# KiCad board RP2040_motor-rounded.kicad_pcb
title: RP2040 Motor Controller; date: 2020-07-13; rev: REV1; company: Twisted Fields, LLC
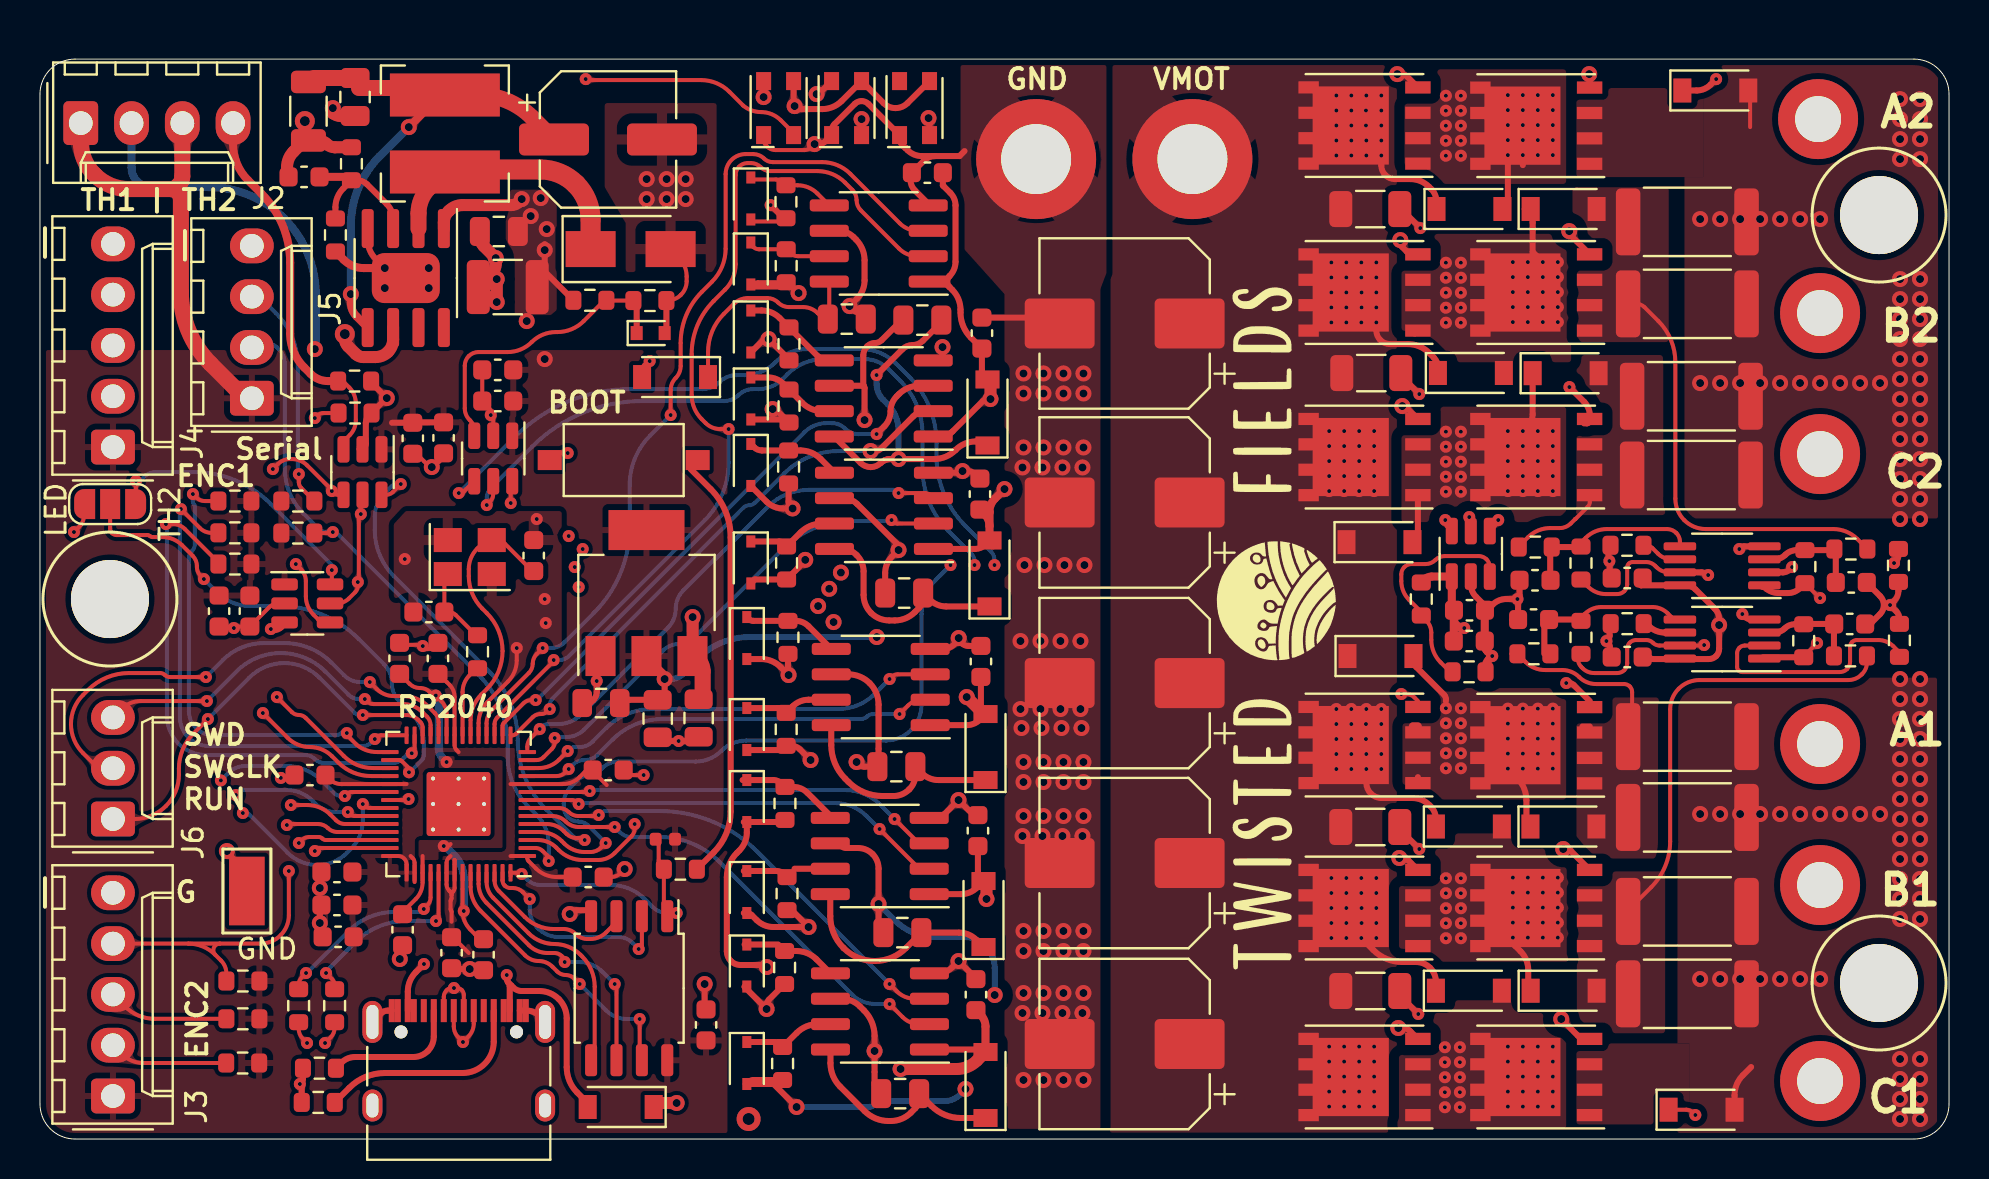
[diagram p0: board, top side]
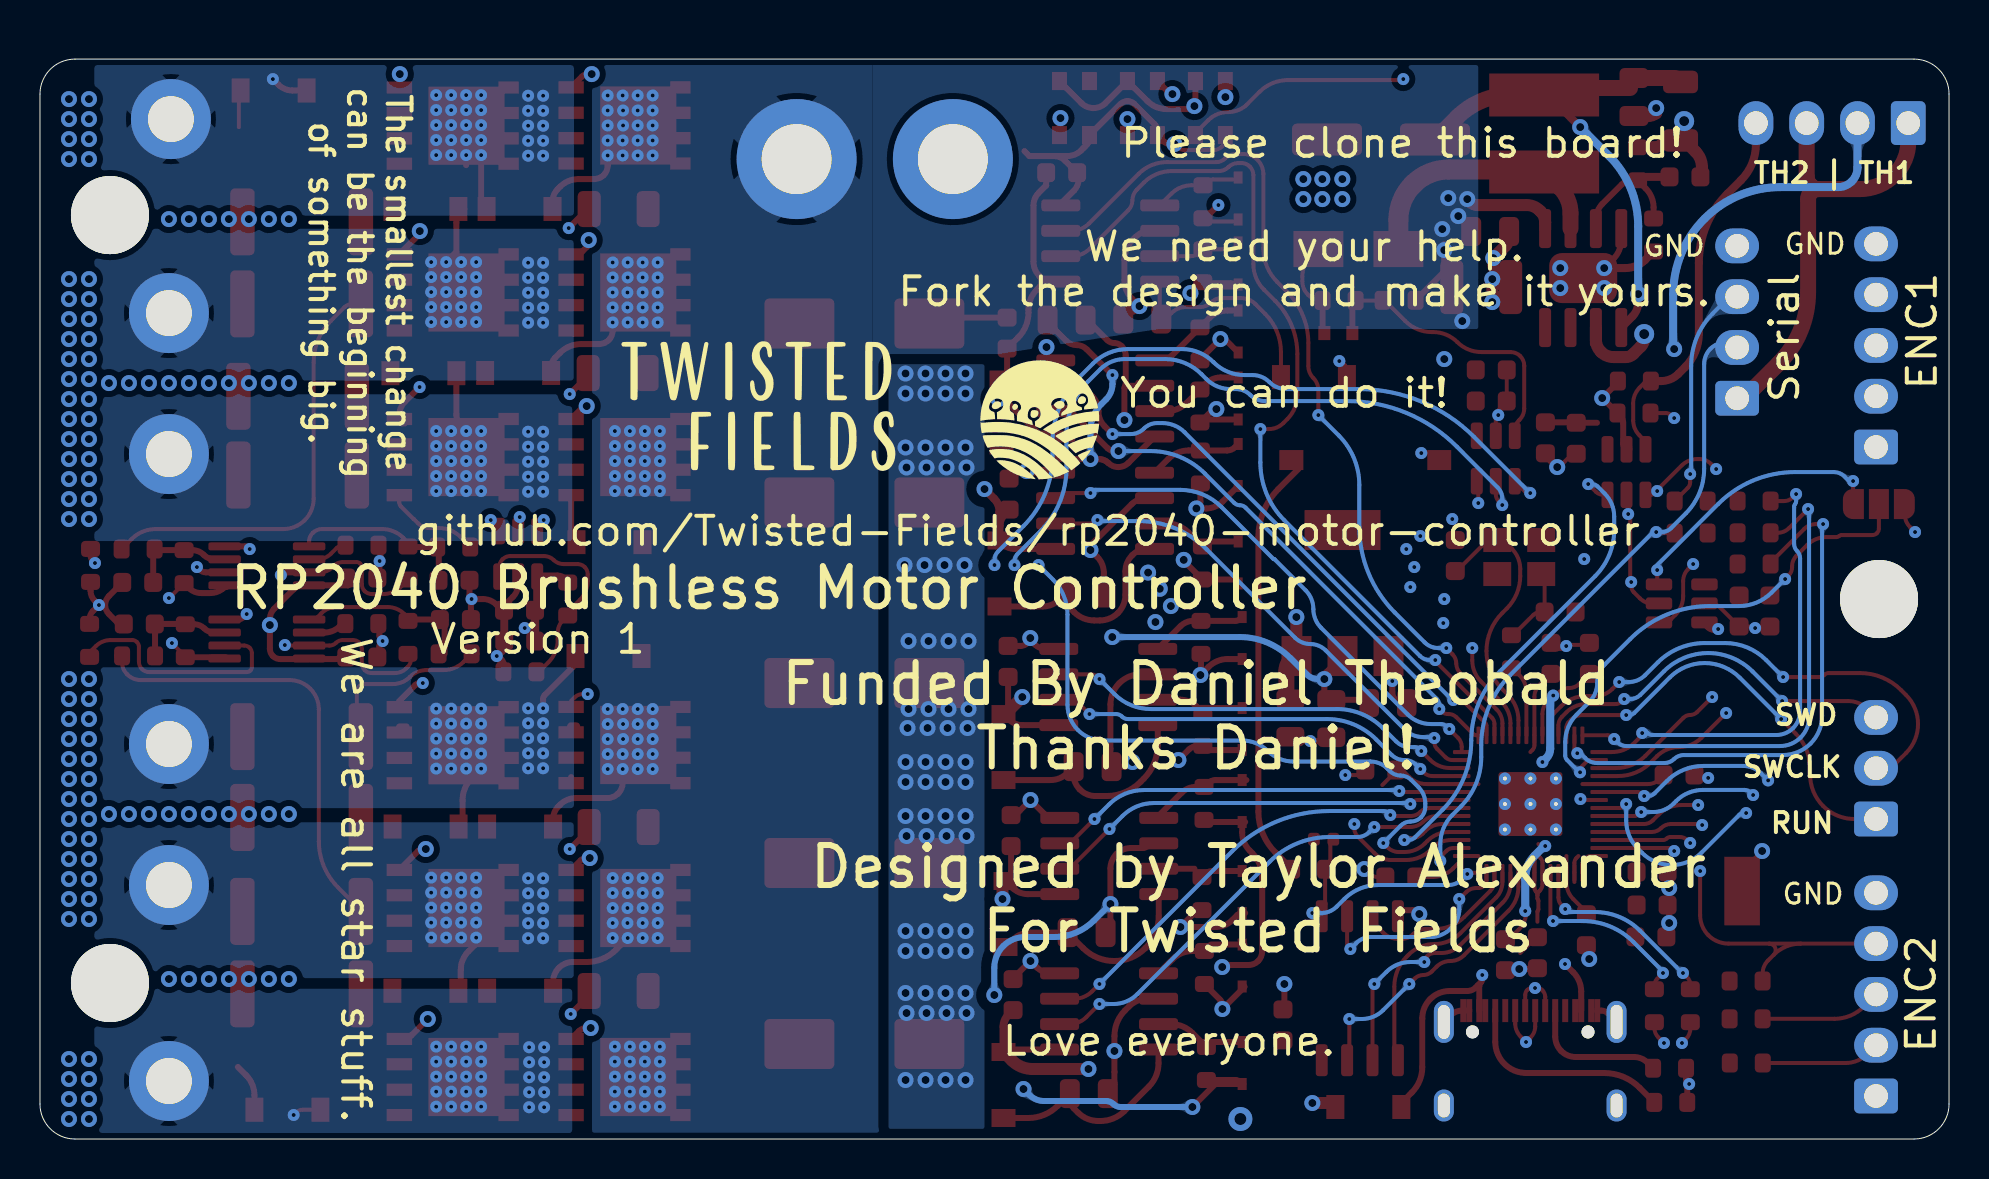
[diagram p1: board, bottom side, seen from below]

Outline 95.5 x 54 mm; copper layers: Top, In1.Cu, In2.Cu, Bottom. Coordinates in mm from the lower left corner of the outline.
Outline path: 0,52.25 arc(0.51,53.49) 1.75,54 93.75,54 arc(94.99,53.49) 95.5,52.25 95.5,1.75 arc(94.99,0.51) 93.75,0 1.75,0 arc(0.51,0.51) 0,1.75 0,52.25
Stack: Top 0.035mm / dielectric 0.48mm FR4 er 4.5 / In1.Cu 0.035mm / dielectric 0.48mm FR4 er 4.5 / In2.Cu 0.035mm / dielectric 0.48mm FR4 er 4.5 / Bottom 0.035mm

## Placement (name value [footprint] x y rotation side)
AH1  MOSFETSO-8  [PowerPAK_SO-8_123]  66.26 19.7 180 top
AH2  MOSFETSO-8  [PowerPAK_SO-8_123]  66.26 50.68 180 top
AL1  MOSFETSO-8  [PowerPAK_SO-8_123]  74.85 19.69 180 top
AL2  MOSFETSO-8  [PowerPAK_SO-8_123]  74.85 50.67 180 top
BH1  MOSFETSO-8  [PowerPAK_SO-8_123]  66.26 11.55 180 top
BH2  MOSFETSO-8  [PowerPAK_SO-8_123]  66.26 42.33 180 top
BL1  MOSFETSO-8  [PowerPAK_SO-8_123]  74.85 11.55 180 top
BL2  MOSFETSO-8  [PowerPAK_SO-8_123]  74.85 42.33 180 top
C1  100nF 50V  [C_0603_1608Metric]  46.82 7.22 270 top
C2  100nF 50V  [C_0603_1608Metric]  47.02 32.25 270 top
C3  47uF 63V  [CP_Elec_8x10]  54.26 31.83 180 top
C4  47uF 63V  [CP_Elec_8x10]  54.26 40.78 180 top
C5  47uF 63V  [CP_Elec_8x10]  54.26 22.8 180 top
C6  47uF 63V  [CP_Elec_8x10]  54.26 4.75 180 top
C7  47uF 63V  [CP_Elec_8x10]  54.26 13.8 180 top
C8  10uF 50V  [C_0805_2012Metric#2]  43.03 2.27 0 top
C9  10uF 50V  [C_0805_2012Metric#2]  43.23 27.3 0 top
C10  100nF 50V  [C_0603_1608Metric]  46.92 15.42 270 top
C11  100nF 50V  [C_0603_1608Metric]  47.12 40.3 270 top
C12  10uF 50V  [C_0805_2012Metric#2]  43.14 10.32 0 top
C13  10uF 50V  [C_0805_2012Metric#2]  44.14 40.95 0 top
C14  100nF 50V  [C_0603_1608Metric]  47.07 23.88 270 top
C15  100nF 50V  [C_0603_1608Metric]  44.39 48.32 0 top
C16  10uF 50V  [C_0805_2012Metric#2]  42.84 18.62 0 top
C17  10uF 50V  [C_0805_2012Metric#2]  40.36 41 180 top
C18  1u  [C_0603_1608Metric]  71.5 24.9 180 top
C19  1u  [C_0603_1608Metric]  8.96 26.4 90 top
C20  10u  [C_0805_2012Metric]  32.95 21.05 270 top
C21  100n  [C_0603_1608Metric]  33.32 5.7 90 top
C22  1u  [C_0603_1608Metric]  18.65 35.04 90 top
C23  10u  [C_0805_2012Metric]  28.06 21.8 180 top
C24  100uF 35V  [CP_Elec_6.3x7.7]  28.41 49.98 0 top
C25  HIGHCURRENTPAD2  [PAD_8GA_WIRE]  57.65 49 0 top
C26  HIGHCURRENTPAD2  [PAD_8GA_WIRE]  49.83 49 0 top
C27  20p  [C_0603_1608Metric]  24.7 29.17 90 top
C28  20p  [C_0603_1608Metric]  19.45 26.35 180 top
C29  10u  [C_0805_2012Metric]  30.9 21.03 270 top
C30  100n  [C_0603_1608Metric]  22.19 9.22 270 top
C31  100n  [C_0603_1608Metric]  17.99 24.03 90 top
C32  1u  [C_0603_1608Metric]  18.14 10.47 270 top
C33  100n  [C_0603_1608Metric]  20.59 9.31 270 top
C34  1u  [C_0603_1608Metric]  14.91 10.11 180 top
C35  1u  [C_0603_1608Metric]  22.9 36.9 0 top
C36  100n  [C_0603_1608Metric]  27.42 13.1 0 top
C37  100n  [C_0603_1608Metric]  13.5 18.2 180 top
C38  100n  [C_0603_1608Metric]  28.42 18.45 0 top
C39  100n  [C_0603_1608Metric]  19.91 24.03 90 top
C40  100n  [C_0603_1608Metric]  14.86 13.35 180 top
C41  100n  [C_0603_1608Metric]  14.86 11.7 180 top
C$1  2.2uF 100V  [C_1206_3216Metric]  66.55 46.5 0 top
C$2  2.2uF 100V  [C_1206_3216Metric]  66.55 15.6 0 top
C$3  2.2uF 100V  [C_1206_3216Metric]  66.6 38.3 0 top
C$4  2.2uF 100V  [C_1206_3216Metric]  66.55 7.4 0 top
C$5  4.7uF 100V  [C_1210_3225Metric]  23.4 42.6 180 top
C$6  100nF 100V  [C_0805_2012Metric#2]  22.95 45.38 180 top
C$7  1uF 35V  [C_0805_2012Metric#2]  15.76 52.11 270 top
CH1  MOSFETSO-8  [PowerPAK_SO-8_123]  66.26 3.1 180 top
CH2  MOSFETSO-8  [PowerPAK_SO-8_123]  66.26 34.1 180 top
CL1  MOSFETSO-8  [PowerPAK_SO-8_123]  74.85 3.1 180 top
CL2  MOSFETSO-8  [PowerPAK_SO-8_123]  74.85 34.1 180 top
D1  FR107  [D_SOD-123]  47.3 2.7 90 top
D2  FR107  [D_SOD-123]  47.5 28.28 90 top
D3  1N4148WS  [D_SOD-323]  35.36 3.8 270 top
D4  1N4148WS  [D_SOD-323]  35.36 8.67 270 top
D5  1N4148WS  [D_SOD-323]  35.56 28.83 270 top
D6  1N4148WS  [D_SOD-323]  35.56 33.7 270 top
D7  B5819W SL  [D_SOD-123]  71.48 7.42 0 top
D8  B5819W SL  [D_SOD-123]  83.12 1.47 0 top
D9  B5819W SL  [D_SOD-123]  67.01 29.84 0 top
D10  B5819W SL  [D_SOD-123]  76.32 38.3 0 top
D11  FR107  [D_SOD-123]  47.2 11.25 90 top
D12  1N4148WS  [D_SOD-323]  35.36 12.35 270 top
D13  1N4148WS  [D_SOD-323]  35.36 16.9 270 top
D14  FR107  [D_SOD-123]  47.4 36.33 90 top
D15  1N4148WS  [D_SOD-323]  35.56 37.03 270 top
D16  1N4148WS  [D_SOD-323]  35.56 40.38 270 top
D17  B5819W SL  [D_SOD-123]  71.48 15.62 0 top
D18  B5819W SL  [D_SOD-123]  76.22 7.42 0 top
D19  B5819W SL  [D_SOD-123]  71.58 38.31 0 top
D20  B5819W SL  [D_SOD-123]  76.22 46.5 0 top
D21  FR107  [D_SOD-123]  47.3 19.6 90 top
D22  1N4148WS  [D_SOD-323]  35.36 20.5 270 top
D23  1N4148WS  [D_SOD-323]  35.36 25.05 270 top
D24  FR107  [D_SOD-123]  31.77 38.1 180 top
D25  1N4148WS  [D_SOD-323]  35.56 43.78 270 top
D26  1N4148WS  [D_SOD-323]  35.56 47.03 270 top
D27  B5819W SL  [D_SOD-123]  67.06 24.15 0 top
D28  B5819W SL  [D_SOD-123]  76.21 15.62 0 top
D29  B5819W SL  [D_SOD-123]  71.51 46.5 0 top
D30  B5819W SL  [D_SOD-123]  83.81 52.43 0 top
D31  B5819W SL  [D_SOD-123]  29.05 1.6 180 top
D32  SS210  [D_SMA]  29.55 44.5 0 top
D33  WS2812B  [LED_WS2812_3528_3.5x2.8mm_P1.5mm]  36.95 51.55 90 top
D34  WS2812B  [LED_WS2812_3528_3.5x2.8mm_P1.5mm]  40.35 51.55 90 top
D35  WS2812B  [LED_WS2812_3528_3.5x2.8mm_P1.5mm]  43.75 51.55 90 top
D36  DNS  [D_SOD-523]  30.55 40.3 0 top
G***  LOGO  [twisted_2]  61.15 26.87 90 top
G***#2  LOGO  [twisted]  61.15 15.25 90 top
G***#3  LOGO  [twisted_icon]  61.86 27.11 90 top
G***#4  LOGO  [twisted_2]  68.42 34.9 180 bottom
G***#5  LOGO  [twisted_icon]  45.29 35.95 180 bottom
G***#6  LOGO  [twisted]  59.64 38.4 180 bottom
H1  MountingHole  [MountingHole_3.9mm_Plastite_#6]  92 7.8 0 top
H2  MountingHole  [MountingHole_3.9mm_Plastite_#6]  92 46.2 0 top
H3  MountingHole  [MountingHole_3.9mm_Plastite_#6]  3.5 27 0 top
J1  USB_C_Receptacle_USB2.0  [USB_C_Receptacle_XKB_U262-16XN-4BVC11]  20.95 2.75 0 top
J2  Conn_01x04  [Molex_KK-254_AE-6410-04A_1x04_P2.54mm_Vertical]  2.04 50.8 0 top
J3  Conn_01x05  [Molex_KK-254_AE-6410-05A_1x05_P2.54mm_Vertical]  3.65 2.15 90 top
J4  Conn_01x05  [Molex_KK-254_AE-6410-05A_1x05_P2.54mm_Vertical]  3.65 34.6 90 top
J5  Conn_01x04  [Molex_KK-254_AE-6410-04A_1x04_P2.54mm_Vertical]  10.6 37.04 90 top
J6  Conn_01x03  [Molex_KK-254_AE-6410-03A_1x03_P2.54mm_Vertical]  3.65 16 90 top
JP1  SolderJumper_3_Open  [SolderJumper-3_P1.3mm_Open_RoundedPad1.0x1.5mm_NumberLabels]  3.51 31.75 0 top
L1  100uH 0.5A  [SM5845]  20.25 50.28 90 top
M1A1  HIGHCURRENTPAD2  [PAD_12GA_WIRE#2]  89.05 19.75 0 top
M1B1  HIGHCURRENTPAD2  [PAD_12GA_WIRE#2]  89.05 12.7 0 top
M1C1  HIGHCURRENTPAD2  [PAD_12GA_WIRE#2]  89.05 2.9 0 top
M2A1  HIGHCURRENTPAD2  [PAD_12GA_WIRE]  88.95 50.9 0 top
M2B1  HIGHCURRENTPAD2  [PAD_12GA_WIRE#3]  89.05 41.4 0 top
M2C1  HIGHCURRENTPAD2  [PAD_12GA_WIRE#2]  89.05 34.25 0 top
R1  4mΩ  [R_2512_6332Metric]  82.61 33.2 180 top
R2  4mΩ  [R_2512_6332Metric]  82.61 37.14 180 top
R3  499R  [R_0603_1608Metric]  74.8 29.6 0 top
R4  22R  [R_0603_1608Metric]  37.15 3.78 270 top
R5  22R  [R_0603_1608Metric]  37.25 8.58 270 top
R6  0.1uF  [C_0603_1608Metric]  74.79 27.94 180 top
R7  10.2R  [R_0603_1608Metric]  37.35 28.81 270 top
R8  10.2R  [R_0603_1608Metric]  37.45 33.61 270 top
R9  4.64k  [R_0603_1608Metric]  79.39 29.69 180 top
R10  133k  [R_0603_1608Metric]  77.09 28.8 90 top
R11  4mΩ  [R_2512_6332Metric]  82.41 7.26 180 top
R12  4mΩ  [R_2512_6332Metric]  82.41 11.38 180 top
R13  499R  [R_0603_1608Metric]  90.57 24.16 180 top
R14  4mΩ  [R_2512_6332Metric]  82.41 41.76 180 top
R15  0.1uF  [C_0603_1608Metric]  90.53 25.75 0 top
R16  4mΩ  [R_2512_6332Metric]  82.41 45.86 180 top
R17  4.64k  [R_0603_1608Metric]  93.02 24.94 90 top
R18  499R  [R_0603_1608Metric]  90.59 29.5 180 top
R19  10.2R  [R_0603_1608Metric]  37.37 12.27 270 top
R20  10.2R  [R_0603_1608Metric]  37.27 16.78 270 top
R21  0.1uF  [C_0603_1608Metric]  90.61 27.83 0 top
R22  133k  [R_0603_1608Metric]  88.23 24.92 90 top
R23  4.64k  [R_0603_1608Metric]  92.97 28.68 270 top
R24  10.2R  [R_0603_1608Metric]  37.47 36.65 270 top
R25  10.2R  [R_0603_1608Metric]  37.47 39.76 270 top
R26  133k  [R_0603_1608Metric]  88.29 28.62 90 top
R27  0.1uF  [C_0603_1608Metric]  79.4 24.1 180 top
R28  0.1uF  [C_0603_1608Metric]  79.4 28.05 180 top
R29  4mΩ  [R_2512_6332Metric]  82.41 16.08 180 top
R30  4mΩ  [R_2512_6332Metric]  82.41 20.12 180 top
R31  499R  [R_0603_1608Metric]  74.73 24.26 0 top
R32  0.1uF  [C_0603_1608Metric]  74.72 25.97 180 top
R33  4.64k  [R_0603_1608Metric]  79.4 25.77 180 top
R34  10.2R  [R_0603_1608Metric]  37.33 20.48 270 top
R35  10.2R  [R_0603_1608Metric]  37.42 25.08 270 top
R36  133k  [R_0603_1608Metric]  77.09 25.08 90 top
R37  10.2R  [R_0603_1608Metric]  37.33 43.67 270 top
R38  10.2R  [R_0603_1608Metric]  37.32 46.86 270 top
R39  0.1uF  [C_0603_1608Metric]  71.51 26.44 0 top
R40  0.1uF  [C_0603_1608Metric]  10.5 26.4 270 top
R41  1.1k  [R_0603_1608Metric]  32.03 13.49 0 top
R42  DNS  [C_0402_1005Metric]  31.28 14.99 180 top
R43  5.1k  [R_0603_1608Metric]  13.98 3.54 0 top
R44  5.1k  [R_0603_1608Metric]  13.92 1.83 180 top
R45  10k  [R_0603_1608Metric]  71.49 23.36 0 top
R46  10k  [R_0603_1608Metric]  15.76 36.3 0 top
R47  0.1uF  [C_0603_1608Metric]  20.19 35.06 270 top
R48  0.15R  [R_1206_3216Metric]  13.43 51.39 90 top
R49  2.7k  [R_0603_1608Metric]  14.78 45.2 90 top
R50  23.2k  [R_0603_1608Metric]  15.58 48.77 90 top
R51  10k  [R_0603_1608Metric]  15.74 37.9 0 top
R52  1.1k  [R_0603_1608Metric]  21.89 24.36 90 top
R53  23.2k  [R_0603_1608Metric]  9.75 31.9 180 top
R54  23.2k  [R_0603_1608Metric]  10.15 7.9 180 top
R55  23.2k  [R_0603_1608Metric]  9.75 30.31 180 top
R56  23.2k  [R_0603_1608Metric]  10.15 6.01 180 top
R57  23.2k  [R_0603_1608Metric]  9.75 28.75 180 top
R58  23.2k  [R_0603_1608Metric]  10.14 3.8 180 top
R59  0.1uF  [C_0603_1608Metric]  22.9 38.46 180 top
R60  27  [R_0603_1608Metric]  14.74 6.67 90 top
R61  27  [R_0603_1608Metric]  12.94 6.67 90 top
R62  5.1k  [R_0603_1608Metric]  12.9 30.3 0 top
R63  5.1k  [R_0603_1608Metric]  12.9 31.9 180 top
R64  100k  [R_0603_1608Metric]  27.51 41.94 0 top
R65  5.1k  [R_0603_1608Metric]  30.51 41.93 0 top
SW1  SW_MEC_5G  [SW_TS_1101_C_W]  29.2 33.95 0 top
TH1  Thermistor 10k  [R_0603_1608Metric]  69.1 27 270 top
TP2  TestPoint  [TestPoint_Keystone_5019_Minature]  10.35 12.4 90 top
U1  EG2131  [SOIC-8_3.9x4.9mm_P1.27mm]  42.02 6.38 180 top
U2  EG2131  [SOIC-8_3.9x4.9mm_P1.27mm]  42.22 31.41 180 top
U3  LM358  [MSOP-8_3x3mm_P0.65mm]  84.15 28.66 180 top
U4  EG2131  [SOIC-8_3.9x4.9mm_P1.27mm]  42.01 14.15 180 top
U5  EG2131  [SOIC-8_3.9x4.9mm_P1.27mm]  42.21 37.03 180 top
U6  LM358  [MSOP-8_3x3mm_P0.65mm]  84.15 25 180 top
U7  EG2131  [SOIC-8_3.9x4.9mm_P1.27mm]  42.06 22.6 180 top
U8  EG2131  [SOIC-8_3.9x4.9mm_P1.27mm]  41.96 44.78 180 top
U9  ADC081S021CISD/NOPB  [SOT-23-6]  71.58 29.26 90 top
U10  ADC081S021CISD/NOPB  [SOT-23-6]  13.37 26.78 0 top
U11  XL7045  [SOIC-8_3.9x4.9mm_P1.27mm_POWERPAD]  18.3 43.05 270 top
U12  W25Q16JVSSIQ  [SOIC-8_5.23x5.23mm_P1.27mm]  29.47 7.54 270 top
U13  NCP1117-3.3_SOT223  [SOT-223-3_TabPin2]  30.34 27.3 90 top
U14  ADC081S021CISD/NOPB  [SOT-23-6]  16.13 33.35 270 top
U15  RP2040  [RP2040-QFN-56]  20.94 16.75 180 top
U16  ADC081S021CISD/NOPB  [SOT-23-6]  22.67 34.03 270 top
U$1  33Nf  [C_0603_1608Metric]  13.21 48.11 0 top
Y1  Crystal_GND24  [Crystal_SMD_3225-4Pin_3.2x2.5mm]  21.5 29.1 0 top

## Library data of the parts
AH1 AH2 AL1 AL2 BH1 BH2 BL1 BL2 CH1 CH2 CL1 CL2 = -: LCSC: C180959
C1 C2 C10 C11 C14 C15 C21 C30 C31 C33 C36-C41 R6 R32 = -: LCSC: C14663
C3-C7 = -: LCSC: C72524
C8 C9 C12 C13 C16 C17 = -: LCSC: C440198
C18 C19 C22 C32 C34 C35 = -: LCSC: C15849
C20 C23 C29 = -: LCSC: C15850
C24 = -: LCSC: C267470
C27 C28 = -: LCSC: C1648
C$1-C$4 = -: LCSC: C650969
C$5 = -: LCSC: C697607
C$6 = -: LCSC: C28233
C$7 = -: LCSC: C440196
D1 D2 D11 D14 D21 D24 = -: LCSC: C511885
D3-D6 D12 D13 D15 D16 D22 D23 D25 D26 = -: LCSC: C2128
D7-D10 D17-D20 D27-D31 = -: LCSC: C8598
D32 = -: LCSC: C14996
D33-D35 = -: LCSC: C2890364; Field5: 1
D36 = -: LCSC: C2939951
J1 = -: LCSC: C2835315
J2 J5 = -: LCSC: C402777
J3 J4 = -: LCSC: C45012
J6 = -: LCSC: C29275
L1 = -: LCSC: C49622
R1 R2 R11 R12 R14 R16 R29 R30 = -: LCSC: C375693
R3 R13 R18 R31 = -: LCSC: C101076
R4 R5 = -: LCSC: C23345
R7 R8 R19 R20 R24 R25 R34 R35 R37 R38 = -: LCSC: C22773
R9 R17 R23 R33 = -: LCSC: C144652
R10 R22 R26 R36 = -: LCSC: C423080
R41 R52 = -: LCSC: C22764
R43 R44 R62 R63 R65 = -: LCSC: C23186
R45 R46 R51 = -: LCSC: C25804
R48 = -: LCSC: C37936
R49 = -: LCSC: C13167
R50 R53-R58 = -: LCSC: C23346
R60 R61 = -: LCSC: C25190
R64 = -: LCSC: C25803
SW1 = -: LCSC: C318938
TH1 = -: LCSC: C13564
TP2 = -: LCSC: C238130
U1 U2 U4 U5 U7 U8 = -: LCSC: C193777
U3 U6 = -: LCSC: C54867
U9 U10 U14 U16 = -: LCSC: C130227
U11 = -: LCSC: C126474
U12 = -: LCSC: C82317
U13 = -: LCSC: C6186
U15 = -: LCSC: C2040
U$1 = -: LCSC: C21117
Y1 = -: LCSC: C9002

## Footprints (pads in the part's own frame, mm; a bottom-side part is the same pattern mirrored in y, then rotated)
C_0402_1005Metric
  rrect 0.59x0.64 smd: 1(-0.485,0) 2(0.485,0)
C_0603_1608Metric
  rrect 0.9x0.95 smd: 1(-0.775,0) 2(0.775,0)
C_0805_2012Metric
  rrect 0.975x1.4 smd: 1(-0.938,0) 2(0.938,0)
C_0805_2012Metric#2
  rrect 1x1.45 smd: 1(-0.95,0) 2(0.95,0)
C_1206_3216Metric
  rrect 1.15x1.8 smd: 1(-1.475,0) 2(1.475,0)
C_1210_3225Metric
  rrect 1.15x2.7 smd: 1(-1.475,0) 2(1.475,0)
CP_Elec_6.3x7.7
  rrect 3.5x1.6 smd: 1(-2.7,0) 2(2.7,0)
CP_Elec_8x10
  rrect 3.5x2.5 smd: 1(-3.25,0) 2(3.25,0)
Crystal_SMD_3225-4Pin_3.2x2.5mm
  rect 1.4x1.2 smd: 1(-1.1,-0.85) 2(1.1,-0.85) 3(1.1,0.85) 4(-1.1,0.85)
D_SMA
  rect 2.5x1.8 smd: 1(-2,0) 2(2,0)
D_SOD-123
  rect 0.9x1.2 smd: 1(-1.65,0) 2(1.65,0)
D_SOD-323
  rect 0.6x0.45 smd: 1(-1.05,0) 2(1.05,0)
D_SOD-523
  rect 0.6x0.7 smd: 1(-0.7,0) 2(0.7,0)
LED_WS2812_3528_3.5x2.8mm_P1.5mm
  rect 0.9x0.75 smd: 1(-1.35,0.75) 2(-1.35,-0.75) 3(1.35,-0.75) 4(1.35,0.75)
Molex_KK-254_AE-6410-03A_1x03_P2.54mm_Vertical
  rrect 1.74x2.19 hole 1.19: 1(0,0)
  oval 1.74x2.19 hole 1.19: 2(2.54,0) 3(5.08,0)
Molex_KK-254_AE-6410-04A_1x04_P2.54mm_Vertical
  rrect 1.74x2.19 hole 1.19: 1(0,0)
  oval 1.74x2.19 hole 1.19: 2(2.54,0) 3(5.08,0) 4(7.62,0)
Molex_KK-254_AE-6410-05A_1x05_P2.54mm_Vertical
  rrect 1.74x2.19 hole 1.19: 1(0,0)
  oval 1.74x2.19 hole 1.19: 2(2.54,0) 3(5.08,0) 4(7.62,0) 5(10.16,0)
MountingHole_3.9mm_Plastite_#6
  round 3.9 hole 3.9: (0,0)
MSOP-8_3x3mm_P0.65mm
  rrect 1.625x0.4 smd: 1(-2.112,0.975) 2(-2.112,0.325) 3(-2.112,-0.325) 4(-2.112,-0.975) 5(2.112,-0.975) 6(2.112,-0.325) 7(2.112,0.325) 8(2.112,0.975)
PAD_8GA_WIRE
  round 6 hole 3.5: 1(0,0)
PAD_12GA_WIRE
  round 4 hole 2.3: 1(0,0.1)
PAD_12GA_WIRE#2
  round 4 hole 2.3: 1(0,0)
PAD_12GA_WIRE#3
  round 4 hole 2.3: 1(0,-0.1)
PowerPAK_SO-8_123
  rect 1.27x0.61 smd: 1(-2.67,1.905) 1(-2.67,0.635) 1(-2.67,-0.635) 2(-2.67,-1.905)
  rect 3.81x3.91 smd: 3(0.69,0)
  rect 1.02x0.61 smd: 3(2.795,1.905) 3(2.795,0.635) 3(2.795,-0.635) 3(2.795,-1.905)
R_0603_1608Metric
  rrect 0.8x0.95 smd: 1(-0.825,0) 2(0.825,0)
R_1206_3216Metric
  rrect 1.125x1.75 smd: 1(-1.462,0) 2(1.462,0)
R_2512_6332Metric
  rrect 1.225x3.35 smd: 1(-2.962,0) 2(2.962,0)
RP2040-QFN-56
  rrect 1.084x1.084 smd: (-0.637,0.637) (-0.637,-0.637) (0.637,0.637) (0.637,-0.637)
  rrect 0.875x0.2 smd: 1(-3.438,2.6) 2(-3.438,2.2) 3(-3.438,1.8) 4(-3.438,1.4) 5(-3.438,1) 6(-3.438,0.6) 7(-3.438,0.2) 8(-3.438,-0.2) 9(-3.438,-0.6) 10(-3.438,-1) 11(-3.438,-1.4) 12(-3.438,-1.8) 13(-3.438,-2.2) 14(-3.438,-2.6) 29(3.438,-2.6) 30(3.438,-2.2) 31(3.438,-1.8) 32(3.438,-1.4) 33(3.438,-1) 34(3.438,-0.6) 35(3.438,-0.2) 36(3.438,0.2) 37(3.438,0.6) 38(3.438,1) 39(3.438,1.4) 40(3.438,1.8) 41(3.438,2.2) 42(3.438,2.6)
  rrect 0.2x0.875 smd: 15(-2.6,-3.438) 16(-2.2,-3.438) 17(-1.8,-3.438) 18(-1.4,-3.438) 19(-1,-3.438) 20(-0.6,-3.438) 21(-0.2,-3.438) 22(0.2,-3.438) 23(0.6,-3.438) 24(1,-3.438) 25(1.4,-3.438) 26(1.8,-3.438) 27(2.2,-3.438) 28(2.6,-3.438) 43(2.6,3.438) 44(2.2,3.438) 45(1.8,3.438) 46(1.4,3.438) 47(1,3.438) 48(0.6,3.438) 49(0.2,3.438) 50(-0.2,3.438) 51(-0.6,3.438) 52(-1,3.438) 53(-1.4,3.438) 54(-1.8,3.438) 55(-2.2,3.438) 56(-2.6,3.438)
  round 0.6 hole 0.2: 57(-1.275,1.275) 57(-1.275,0) 57(-1.275,-1.275) 57(0,1.275) 57(0,0) 57(0,-1.275) 57(1.275,1.275) 57(1.275,0) 57(1.275,-1.275)
  rrect 3.2x3.2 smd: 57(0,0)
SM5845
  rect 2.15x5.5 smd: 1(-1.925,0) 2(1.925,0)
SOIC-8_3.9x4.9mm_P1.27mm
  rrect 1.95x0.6 smd: 1(-2.475,1.905) 2(-2.475,0.635) 3(-2.475,-0.635) 4(-2.475,-1.905) 5(2.475,-1.905) 6(2.475,-0.635) 7(2.475,0.635) 8(2.475,1.905)
SOIC-8_3.9x4.9mm_P1.27mm_POWERPAD
  rrect 1.95x0.6 smd: 1(-2.475,1.905) 2(-2.475,0.635) 3(-2.475,-0.635) 4(-2.475,-1.905) 5(2.475,-1.905) 6(2.475,-0.635) 7(2.475,0.635) 8(2.475,1.905)
  rrect 2.5x3.4 smd: PAD(0,0)
SOIC-8_5.23x5.23mm_P1.27mm
  rrect 1.6x0.6 smd: 1(-3.6,1.905) 2(-3.6,0.635) 3(-3.6,-0.635) 4(-3.6,-1.905) 5(3.6,-1.905) 6(3.6,-0.635) 7(3.6,0.635) 8(3.6,1.905)
SolderJumper-3_P1.3mm_Open_RoundedPad1.0x1.5mm_NumberLabels
  custom 1.05x1.5 smd: 1(-1.3,0) 3(1.3,0)
  rect 1x1.5 smd: 2(0,0)
SOT-23-6
  rrect 1.325x0.6 smd: 1(-1.137,0.95) 2(-1.137,0) 3(-1.137,-0.95) 4(1.137,-0.95) 5(1.137,0) 6(1.137,0.95)
SOT-223-3_TabPin2
  rect 2x1.5 smd: 1(-3.15,2.3) 2(-3.15,0) 3(-3.15,-2.3)
  rect 2x3.8 smd: 2(3.15,0)
SW_TS_1101_C_W
  rect 1.2x1 smd: 1(-3.7,0) 2(3.7,0)
TestPoint_Keystone_5019_Minature
  rect 3.43x1.78 smd: 1(0,0)
USB_C_Receptacle_XKB_U262-16XN-4BVC11
  round 0.65 hole 0.65 unplated: (-2.89,2.605) (2.89,2.605)
  rect 0.3x1.15 smd: A1(-3.35,3.67) A4(-2.55,3.67) A5(-1.25,3.67) A6(-0.25,3.67) A7(0.25,3.67) A8(1.25,3.67) A9(2.55,3.67) A12(3.35,3.67) B1(3.05,3.67) B4(2.25,3.67) B5(1.75,3.67) B6(0.75,3.67) B7(-0.75,3.67) B8(-1.75,3.67) B9(-2.25,3.67) B12(-3.05,3.67)
  oval 1x2.1 hole 0.6x1.7: S1(-4.32,3.105) S1(4.32,3.105)
  oval 1x1.6 hole 0.6x1.2: S1(-4.32,-1.075) S1(4.32,-1.075)

## Nets
+1V1: C30.1 C31.1 C32.1 U15.23 U15.45 U15.50
+3V3: C18.2 C19.2 C21.1 C22.2 C23.1 C29.1 C33.1 C34.1 C35.2 C36.1 C37.1 C38.1 C39.1 C40.1 C41.1 D33.3 D34.3 D35.3 J2.1 J2.3 J3.1 J4.1 J5.1 R27.1 R28.1 R39.1 R40.1 R42.1 R47.1 R53.1 R54.1 R55.1 R56.1 R57.1 R58.1 R59.1 R62.1 R63.2 TH1.1 U3.8 U6.8 U9.1 U10.1 U12.8 U13.2 U14.1 U15.1 U15.10 U15.22 U15.33 U15.42 U15.43 U15.44 U15.48 U15.49 U16.1
+12V: C1.2 C2.2 C10.2 C11.2 C14.2 C15.2 C20.1 D1.2 D2.2 D11.2 D14.2 D21.2 D24.2 D31.1 R48.1 R50.2 U1.1 U2.1 U4.1 U5.1 U7.1 U8.1 U11.6 U13.3 U$1.1
GND: AL2.1 C1.1 C2.1 C3.2 C4.2 C5.2 C6.2 C7.2 C10.1 C11.1 C14.1 C15.1 C18.1 C19.1 C20.2 C21.2 C22.1 C23.2 C24.2 C26.1 C27.2 C28.2 C29.2 C30.2 C31.2 C32.2 C33.2 C34.2 C35.1 C36.2 C37.2 C38.2 C39.2 C40.2 C41.2 C$1.2 C$2.2 C$3.2 C$4.2 C$5.2 C$6.2 C$7.2 CL1.1 D8.2 D30.2 D32.2 D33.1 D34.1 D35.1 D36.2 J1.A1 J1.A12 J1.B1 J1.B12 J1.S1 J3.5 J4.5 J5.4 R1.1 R2.1 R6.2 R9.2 R11.1 R12.1 R14.1 R15.2 R16.1 R17.2 R21.2 R23.2 R27.2 R28.2 R29.1 R30.1 R32.2 R33.2 R39.2 R40.2 R43.1 R44.2 R45.2 R46.2 R47.2 R49.1 R51.2 R59.2 R65.2 SW1.1 TP2.1 U1.4 U2.4 U3.4 U4.4 U5.4 U6.4 U7.4 U8.4 U9.2 U10.2 U11.4 U11.PAD U12.4 U13.1 U14.2 U15.19 U15.57 U16.2 Y1.2 Y1.4
VBUS: D31.2 J1.A4 J1.A9 J1.B4 J1.B9
/power_and_cpu/QSPI_SCLK: U12.6 U15.52
/power_and_cpu/QSPI_SD0: U12.5 U15.53
/power_and_cpu/QSPI_SD1: U12.2 U15.55
/power_and_cpu/QSPI_SD2: U12.3 U15.54
/power_and_cpu/QSPI_SD3: U12.7 U15.51
/power_and_cpu/QSPI_SS: R41.1 R42.2 U12.1 U15.56
/power_and_cpu/RUN: J6.1 U15.26
/power_and_cpu/SWCLK: J6.2 U15.24
/power_and_cpu/SWD: J6.3 U15.25
/power_and_cpu/USB_D+: J1.A6 J1.B6 R60.1
/power_and_cpu/USB_D-: J1.A7 J1.B7 R61.1
/power_and_cpu/USB_DN: R61.2 U15.46
/power_and_cpu/USB_DP: R60.2 U15.47
/power_and_cpu/XIN: C27.1 U15.20 Y1.3
/power_and_cpu/XOUT: R52.1 U15.21
/power_and_cpu/~{USB_BOOT}: R41.2 SW1.2
A1: R26.1 U3.1 U15.38
A2: R10.1 U3.7 U15.39
A3: R22.1 U6.1 U15.40
A4: R36.1 U6.7 U15.41
ADC_CLK: U9.4 U10.4 U14.4 U15.34 U16.4
ADC_CS1: U15.37 U16.6
ADC_CS2: U9.6 U15.4
ADC_CS3: U14.6 U15.5
ADC_CS4: JP1.3 U10.6
ADC_DATA: U9.5 U10.5 U14.5 U15.36 U16.5
ENCA: J3.2 R58.2 U15.31
ENCB: J3.3 R56.2 U15.32
ENCC: J3.4 R54.2 U15.35
GPIO4: U1.2 U15.6
GPIO5: U1.3 U15.7
GPIO6: U4.2 U15.8
GPIO7: U4.3 U15.9
GPIO8: U7.2 U15.11
GPIO9: U7.3 U15.12
GPIO10: U2.2 U15.13
GPIO11: U2.3 U15.14
GPIO12: U5.2 U15.15
GPIO13: U5.3 U15.16
GPIO14: U8.2 U15.17
GPIO15: U8.3 U15.18
LED: D33.2 JP1.1
LED_OR_ADC_CS4: JP1.2 U15.30
M1A: AH1.1 AL1.3 C16.1 D27.2 D28.1 M1A1.1 U7.6
M1B: BH1.1 BL1.3 C12.1 D17.2 D18.1 M1B1.1 U4.6
M1C: C8.1 CH1.1 CL1.3 D7.2 D8.1 M1C1.1 U1.6
M2A: AH2.1 AL2.3 C17.1 D29.2 D30.1 M2A1.1 U8.6
M2B: BH2.1 BL2.3 C13.1 D19.2 D20.1 M2B1.1 U5.6
M2C: C9.1 CH2.1 CL2.3 D9.2 D10.1 M2C1.1 U2.6
RXI: J5.3 R63.1 U15.3
SPI0CS: J4.3 R55.2 U15.28
SPI0RX: J4.2 R57.2 U15.27
SPI0SCK: J4.4 R53.2 U15.29
TH1: J2.2 R46.1 U10.3
TH2: J2.4 R51.1 U14.3
TXO: J5.2 R62.2 U15.2
VMOT: AH1.3 AH2.3 BH1.3 BH2.3 C3.1 C4.1 C5.1 C6.1 C7.1 C25.1 C$1.1 C$2.1 C$3.1 C$4.1 C$5.1 C$6.1 CH1.3 CH2.3 D7.1 D9.1 D17.1 D19.1 D27.1 D29.1 R64.1 U11.1